# Allegro board RK3588_Template_LP4XD200P232SD8_41R0X41R0_2133MHz_H1R0_V10_20211230.brd
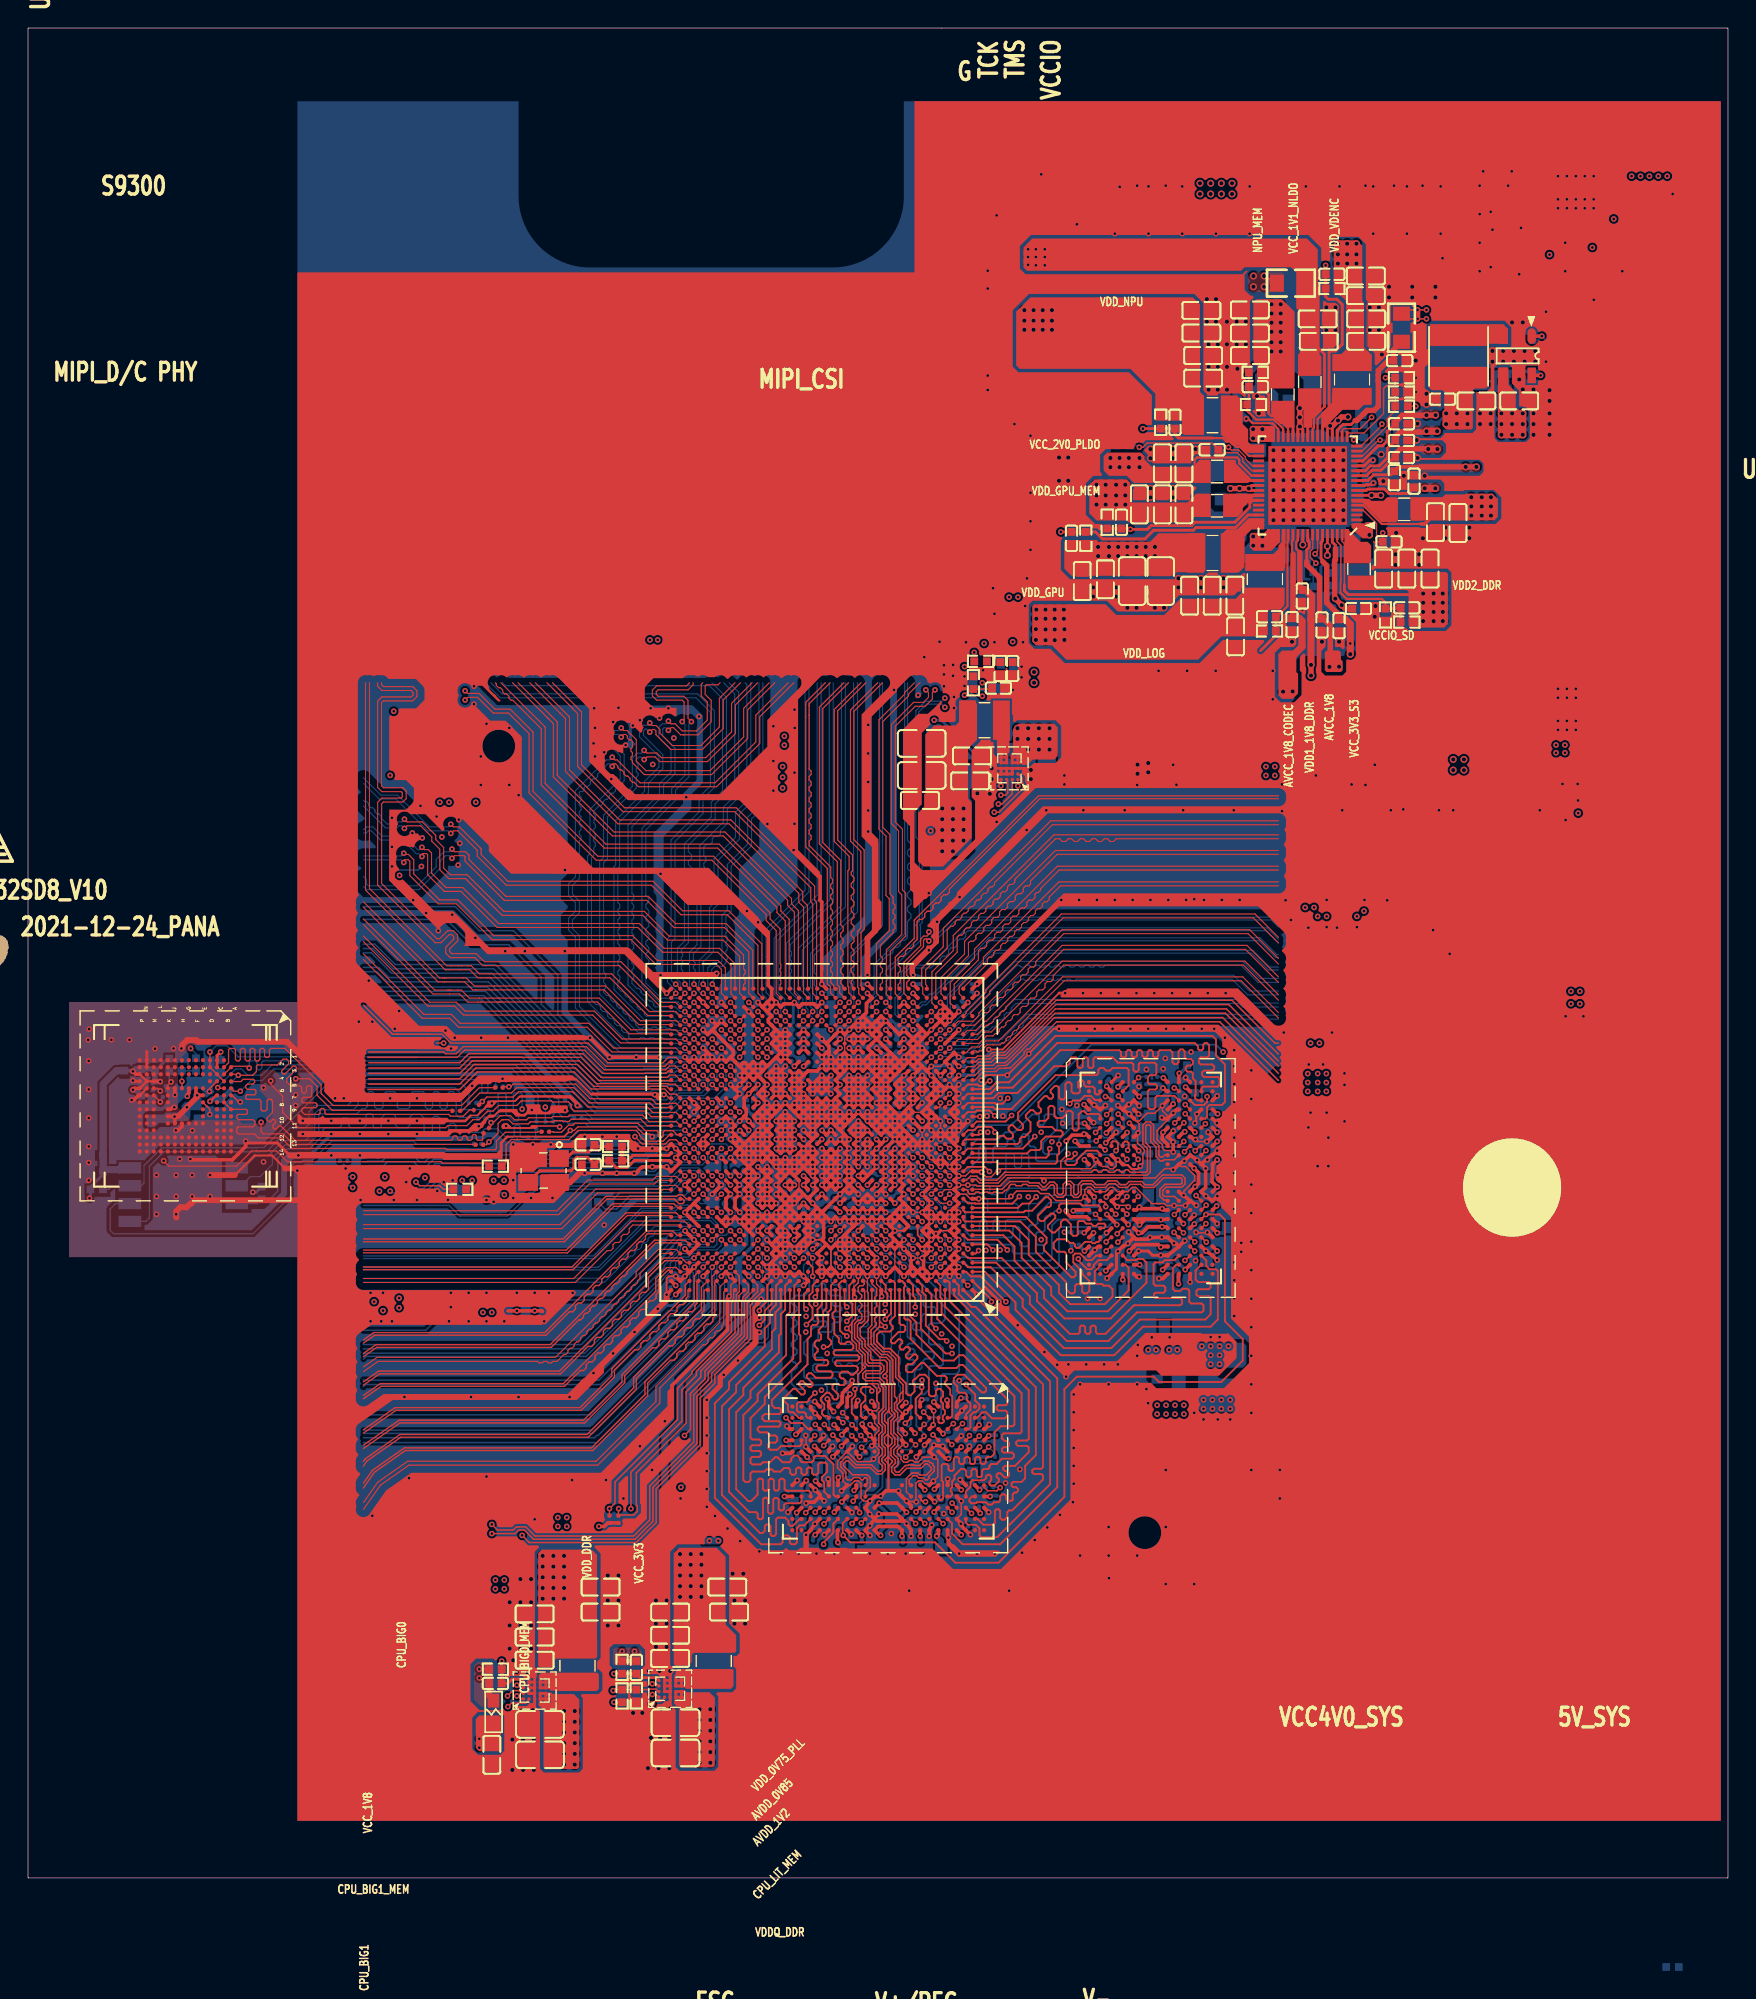
[diagram p0: board, top side]
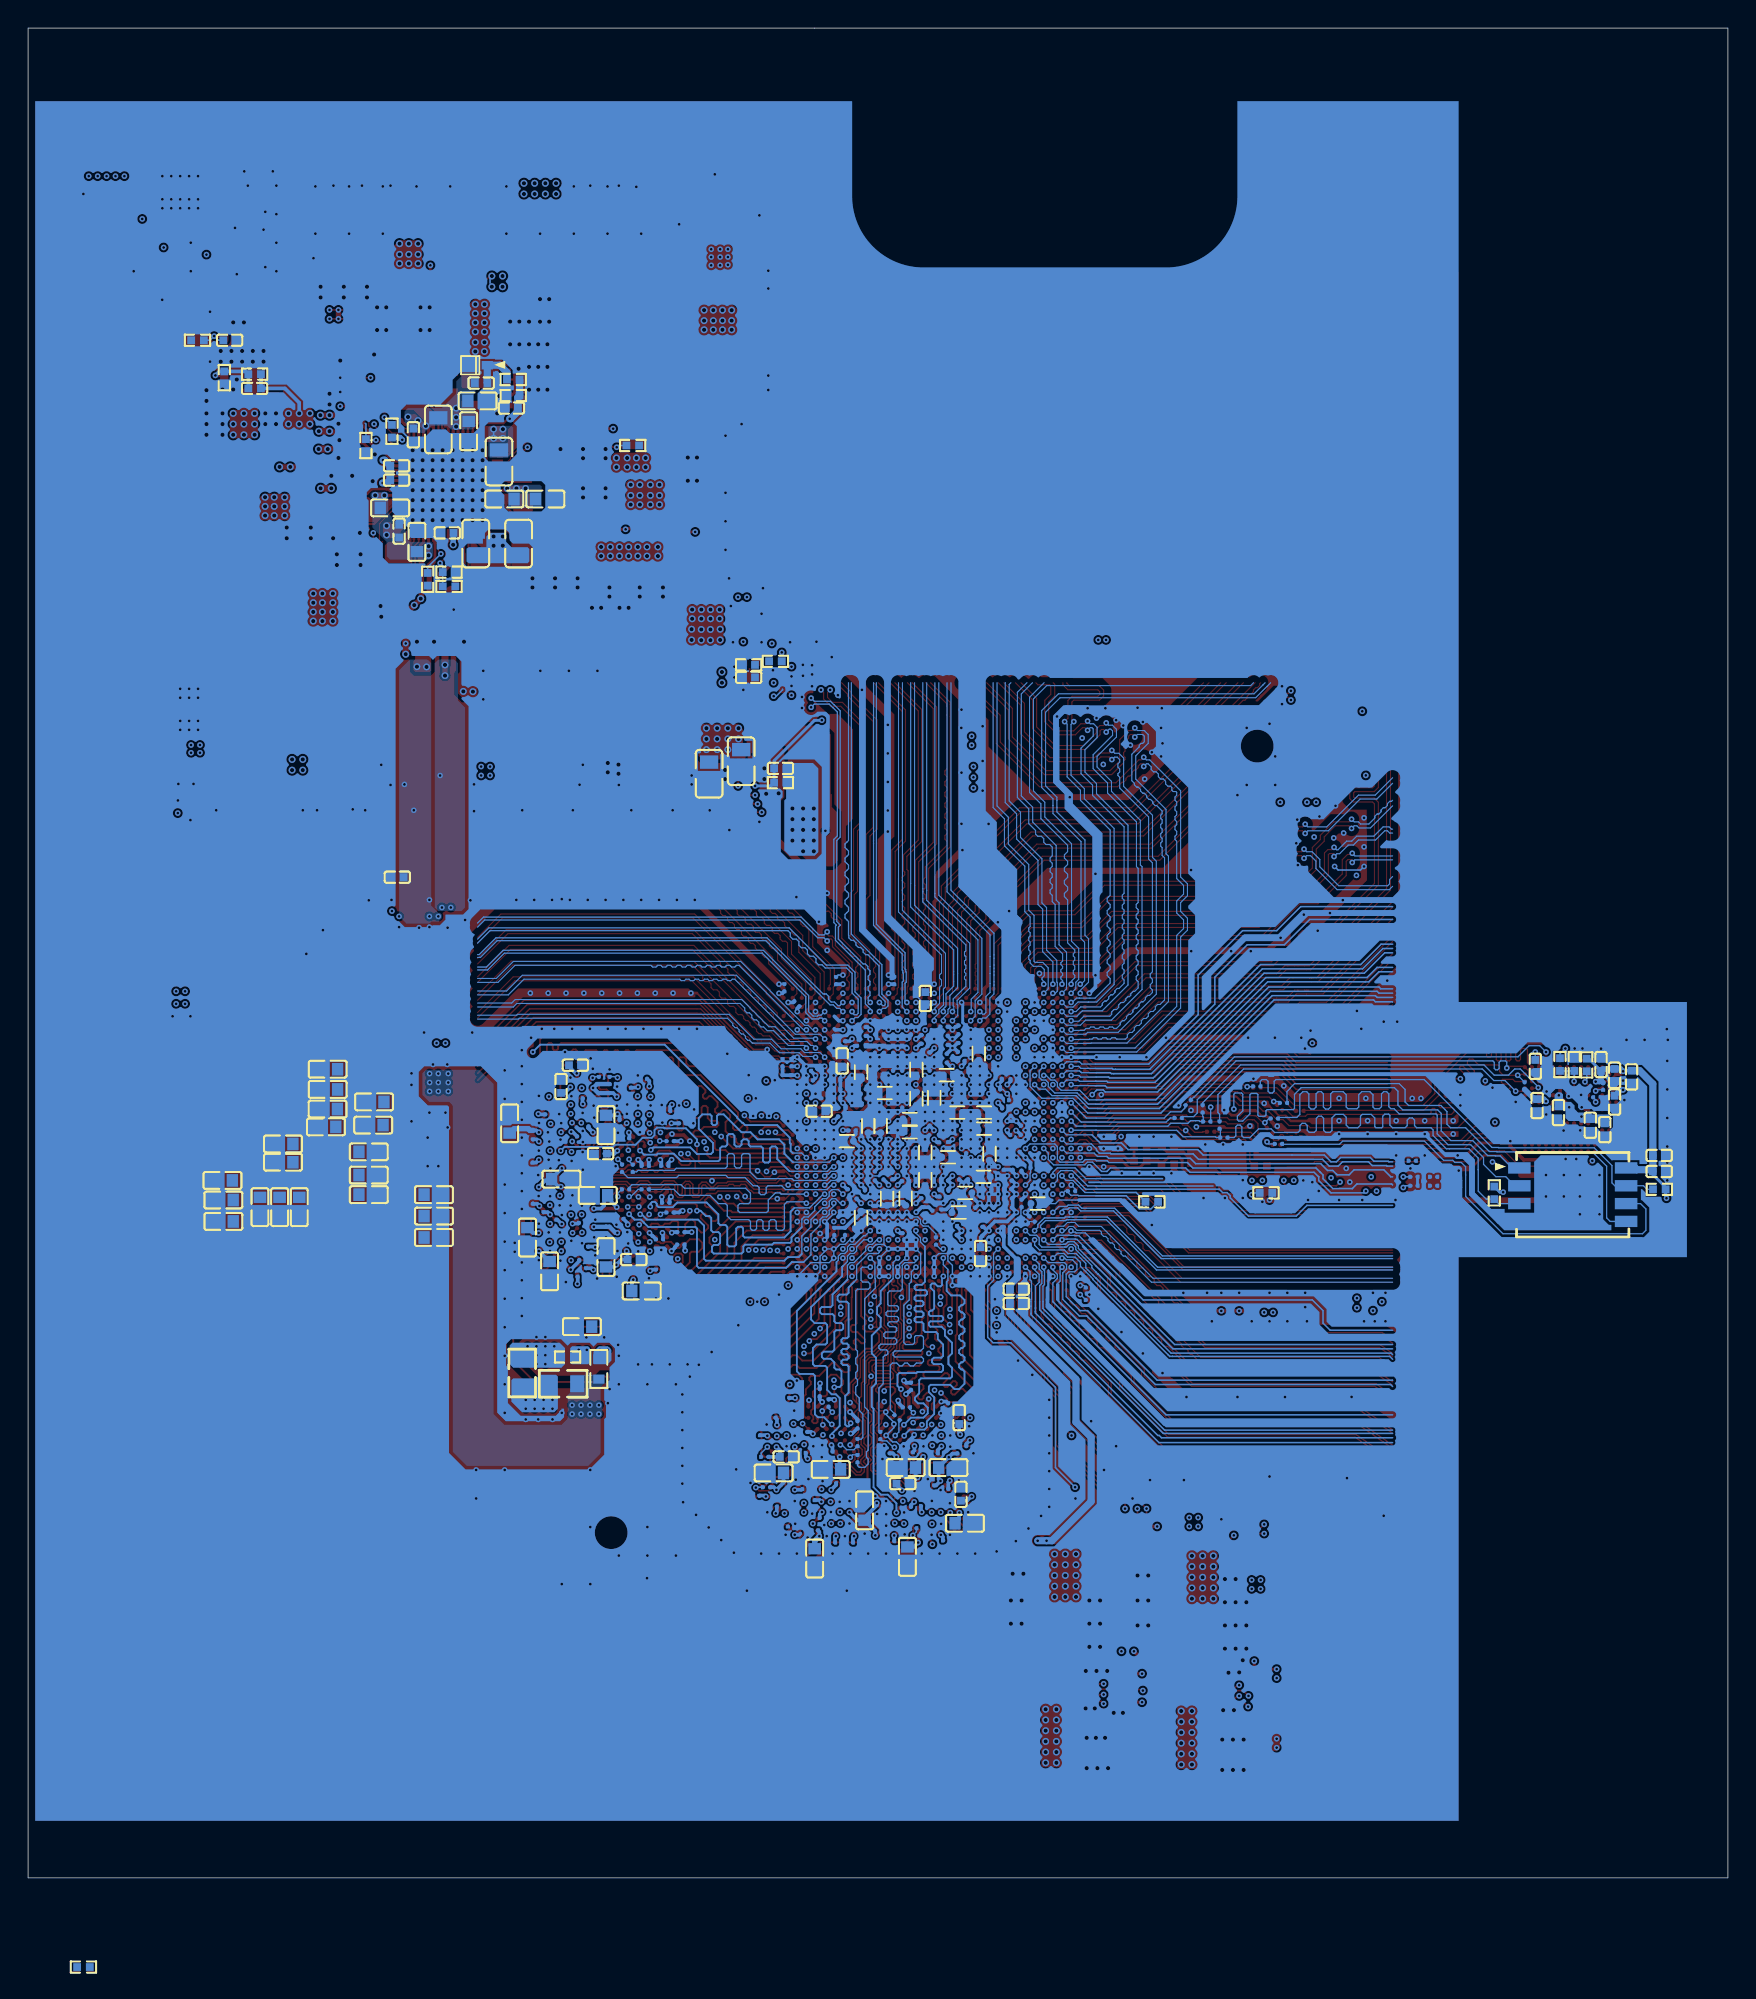
[diagram p1: board, bottom side, seen from below]

Outline 121.03 x 131.7 mm; copper layers: TOP, L2-GND1, L3-POWER1, L4-GND2, L5-POWER2, L6-S2, L7-GND3, BOTTOM. Coordinates in mm from the lower left corner of the outline.
Outline path: 0,131.7 121.03,131.7 121.03,0 0,0 0,131.7

## Design rules (mm)
net group CLK2: nets PCIE30_PORT1_REFCLKN_IN PCIE30_PORT1_REFCLKP_IN
net group DDR_CH0_LP4/4X_CKE0/LP5_CS0_A: nets DDR_CH0_LP4/4X_CKE0/LP5_CS0_A DDR_CH0_LP4/4X_CKE0_A
net group DDR_CH0_LP4/4X_CKE0/LP5_CS0_B: nets DDR_CH0_LP4/4X_CKE0/LP5_CS0_B DDR_CH0_LP4/4X_CKE0_B
net group DDR_CH0_LP4/4X_CKE1/LP5_CS1_A: nets DDR_CH0_LP4/4X_CKE1/LP5_CS1_A DDR_CH0_LP4/4X_CKE1_A
net group DDR_CH0_LP4/4X_CKE1/LP5_CS1_B: nets DDR_CH0_LP4/4X_CKE1/LP5_CS1_B DDR_CH0_LP4/4X_CKE1_B
net group DDR_CH1_LP4/4X_CKE0/LP5_CS0_C: nets DDR_CH1_LP4/4X_CKE0/LP5_CS0_C DDR_CH1_LP4/4X_CKE0_C
net group DDR_CH1_LP4/4X_CKE0/LP5_CS0_D: nets DDR_CH1_LP4/4X_CKE0/LP5_CS0_D DDR_CH1_LP4/4X_CKE0_D
net group DDR_CH1_LP4/4X_CKE1/LP5_CS1_C: nets DDR_CH1_LP4/4X_CKE1/LP5_CS1_C DDR_CH1_LP4/4X_CKE1_C
net group DDR_CH1_LP4/4X_CKE1/LP5_CS1_D: nets DDR_CH1_LP4/4X_CKE1/LP5_CS1_D DDR_CH1_LP4/4X_CKE1_D
net group DP1: nets HDMI1_TX_SBDN/EDP1_TX_AUXN HDMI1_TX_SBDP/EDP1_TX_AUXP
net group DP1_TX2: nets DP1_TX2N DP1_TX2P
net group DP1_TX3: nets DP1_TX3N DP1_TX3P
net group DP2: nets HDMI0_TX_SBDN/EDP0_TX_AUXN HDMI0_TX_SBDP/EDP0_TX_AUXP
net group DP5: nets TYPEC1_SSTX1N TYPEC1_SSTX1P
net group DP6: nets HDMI1_TX0N_PORT/EDP1_TX_D0N HDMI1_TX0P_PORT/EDP1_TX_D0P
net group DP7: nets DP1_AUXN DP1_AUXP
net group DP9: nets HDMI1_TX2N_PORT/EDP1_TX_D2N HDMI1_TX2P_PORT/EDP1_TX_D2P
net group DP14: nets PCIE20_2_TXN PCIE20_2_TXP
net group DP15: nets PCIE20_1_RXN/SATA30_1_RXN PCIE20_1_RXP/SATA30_1_RXP
net group DP16: nets PCIE20_1_TXN/SATA30_1_TXN PCIE20_1_TXP/SATA30_1_TXP
net group DP17: nets SATA30_0_RXN SATA30_0_RXP
net group DP22: nets HDMI_RX_CLKN HDMI_RX_CLKP
net group DP23: nets HDMI_RX_D0N HDMI_RX_D0P
net group DP24: nets PCIE30_PORT0_REFCLKN_IN PCIE30_PORT0_REFCLKP_IN
net group DP26: nets HDMI_RX_D1N HDMI_RX_D1P
net group DP27: nets HDMI_RX_D2N HDMI_RX_D2P
net group DP28: nets TYPEC0_SSTX1N TYPEC0_SSTX1P
net group DP29: nets TYPEC1_OTG_DM TYPEC1_OTG_DP
net group DP30: nets TYPEC0_SBU1 TYPEC0_SBU2
net group DP31: nets TYPEC0_SSRX1N TYPEC0_SSRX1P
net group DP32: nets TYPEC0_SSRX2N TYPEC0_SSRX2P
net group DP33: nets HDMI1_TX3N_PORT/EDP1_TX_D3N HDMI1_TX3P_PORT/EDP1_TX_D3P
net group DP34: nets MIPI_DPHY0_RX_D2N MIPI_DPHY0_RX_D2P
net group DP35: nets MIPI_DPHY0_RX_D3N MIPI_DPHY0_RX_D3P
net group DP36: nets TYPEC1_SSRX1N TYPEC1_SSRX1P
net group DP37: nets MIPI_DPHY0_TX_D3N MIPI_DPHY0_TX_D3P
net group DP38: nets MIPI_DPHY1_RX_D2N MIPI_DPHY1_RX_D2P
net group DP39: nets MIPI_DPHY1_RX_D0N MIPI_DPHY1_RX_D0P
net group DP41: nets MIPI_DPHY1_TX_CLKN MIPI_DPHY1_TX_CLKP
net group DP42: nets MIPI_DPHY1_TX_D0N MIPI_DPHY1_TX_D0P
net group DP43: nets MIPI_DPHY1_TX_D1N MIPI_DPHY1_TX_D1P
net group DP54: nets MIPI_DPHY1_TX_D2N MIPI_DPHY1_TX_D2P
net group DP55: nets MIPI_DPHY1_TX_D3N MIPI_DPHY1_TX_D3P
net group DP56: nets HDMI0_TX0N_PORT/EDP0_TX_D0N HDMI0_TX0P_PORT/EDP0_TX_D0P
net group DP57: nets MIPI_DPHY0_RX_D0N MIPI_DPHY0_RX_D0P
net group DP58: nets HDMI0_TX1N_PORT/EDP0_TX_D1N HDMI0_TX1P_PORT/EDP0_TX_D1P
net group DP59: nets MIPI_DPHY0_RX_D1N MIPI_DPHY0_RX_D1P
net group DP60: nets HDMI0_TX2N_PORT/EDP0_TX_D2N HDMI0_TX2P_PORT/EDP0_TX_D2P
net group DP61: nets MIPI_DPHY1_RX_D3N MIPI_DPHY1_RX_D3P
net group DP62: nets HDMI0_TX3N_PORT/EDP0_TX_D3N HDMI0_TX3P_PORT/EDP0_TX_D3P
net group DP63: nets MIPI_DPHY1_RX_CLKN MIPI_DPHY1_RX_CLKP
net group DP70: nets HDMI1_TX1N_PORT/EDP1_TX_D1N HDMI1_TX1P_PORT/EDP1_TX_D1P
net group DP71: nets MIPI_CSI0_RX_D0N MIPI_CSI0_RX_D0P
net group DP72: nets MIPI_CSI0_RX_D2N MIPI_CSI0_RX_D2P
net group DP73: nets MIPI_CSI1_RX_D0N MIPI_CSI1_RX_D0P
net group DP74: nets MIPI_CSI1_RX_D1N MIPI_CSI1_RX_D1P
net group DP75: nets MIPI_CSI1_RX_D2N MIPI_CSI1_RX_D2P
net group DP76: nets TYPEC0_SSTX2N TYPEC0_SSTX2P
net group DP_DPHY0_TX_CLK: nets MIPI_DPHY0_TX_CLKN MIPI_DPHY0_TX_CLKP
net group DP_DPHY0_TX_D0: nets MIPI_DPHY0_TX_D0N MIPI_DPHY0_TX_D0P
net group DP_DPHY0_TX_D1: nets MIPI_DPHY0_TX_D1N MIPI_DPHY0_TX_D1P
net group DP_DPHY0_TX_D2: nets MIPI_DPHY0_TX_D2N MIPI_DPHY0_TX_D2P
net group DP_MIPI_CSI0_CLK0: nets MIPI_CSI0_RX_CLK0N MIPI_CSI0_RX_CLK0P
net group DP_MIPI_CSI0_CLK1: nets MIPI_CSI0_RX_CLK1N MIPI_CSI0_RX_CLK1P
net group DP_MIPI_CSI0_D1: nets MIPI_CSI0_RX_D1N MIPI_CSI0_RX_D1P
net group DP_MIPI_CSI0_D3: nets MIPI_CSI0_RX_D3N MIPI_CSI0_RX_D3P
net group DP_MIPI_CSI1_CLK0: nets MIPI_CSI1_RX_CLK0N MIPI_CSI1_RX_CLK0P
net group DP_MIPI_CSI1_CLK1: nets MIPI_CSI1_RX_CLK1N MIPI_CSI1_RX_CLK1P
net group DP_MIPI_CSI1_D3: nets MIPI_CSI1_RX_D3N MIPI_CSI1_RX_D3P
net group DP_N17854686: nets PCIE30_PORT1_TX3N PCIE30_PORT1_TX3P
net group DP_PCIE30_TX0: nets PCIE30_PORT0_TX0N PCIE30_PORT0_TX0P
net group DP_PCIE30_TX1: nets PCIE30_PORT0_TX1N PCIE30_PORT0_TX1P
net group DPHY0_RX_CLK: nets MIPI_DPHY0_RX_CLKN MIPI_DPHY0_RX_CLKP
net group DPHY1_RX_D1: nets MIPI_DPHY1_RX_D1N MIPI_DPHY1_RX_D1P
net group EMMC_CLKOUT: nets EMMC_CLKOUT N23230466
net group EMMC_D4: nets EMMC_D4 N26065462
net group EMMC_D5: nets EMMC_D5 N26065494
net group EMMC_D7: nets EMMC_D7 N26065519
net group EMMC_RSTN: nets EMMC_RSTN N26065546
net group PCIE20_0_REFCLK: nets PCIE20_2_REFCLKN PCIE20_2_REFCLKP
net group PCIE20_0_TX: nets PCIE20_0_TXN PCIE20_0_TXP
net group PCIE20_1_REFCLK: nets PCIE20_1_REFCLKN PCIE20_1_REFCLKP
net group PCIE30_PORT0_RX0: nets PCIE30_PORT0_RX0N PCIE30_PORT0_RX0P
net group PCIE30_PORT0_RX1: nets PCIE30_PORT0_RX1N PCIE30_PORT0_RX1P
net group PCIE30_PORT1_RX2: nets PCIE30_PORT1_RX2N PCIE30_PORT1_RX2P
net group PCIE30_PORT1_RX3: nets PCIE30_PORT1_RX3N PCIE30_PORT1_RX3P
net group PCIE30_PORT1_TX2: nets PCIE30_PORT1_TX2N PCIE30_PORT1_TX2P
net group PCIE_2_RX: nets PCIE20_2_RXN/SATA30_2_RXN PCIE20_2_RXP/SATA30_2_RXP
net group SATA30_0_TX: nets SATA30_0_TXN SATA30_0_TXP
net group TYPEC0_OTG_D: nets TYPEC0_OTG_DM TYPEC0_OTG_DP
net group USB20_HOST0_D: nets USB20_HOST0_DM USB20_HOST0_DP
net group USB20_HOST1_D: nets USB20_HOST1_DM USB20_HOST1_DP
net group C_GMAC0_RX: nets GMAC0_RXCLK GMAC0_RXD0 GMAC0_RXD1 GMAC0_RXD2 GMAC0_RXD3 GMAC0_RXDV_CRS
net group C_GMAC0_TX: nets MAC0_TXCLK MAC0_TXD0 MAC0_TXD1 MAC0_TXD2 MAC0_TXD3 MAC0_TXEN
net group DDR: nets DDR_RESET
net group EMMC: nets EMMC_DATA_STROBE
net group EMMC_CMD: nets EMMC_CMD EMMC_CMD/FSPI_CLK FSPI_CLK
net group EMMC_D0: nets EMMC_D0 EMMC_D0/FSPI_D0 FSPI_D0
net group EMMC_D1: nets EMMC_D1 EMMC_D1/FSPI_D1 FSPI_D1
net group EMMC_D2: nets EMMC_D2 EMMC_D2/FSPI_D2 FSPI_D2
net group EMMC_D3: nets EMMC_D3 EMMC_D3/FSPI_D3 FSPI_D3
net group EMMC_D6: nets EMMC_D6 EMMC_D6/FSPI_CS0 FSPI_CS0
net group GMAC0_MD: nets GMAC0_MDC GMAC0_MDIO GMAC0_RSTN_L
net group I2C: nets I2C2_SCL_M0 I2C2_SDA_M0 I2C3_SCL_M0_MIPI I2C3_SDA_M0_MIPI I2C4_SCL_M3_MIPI I2C4_SDA_M3_MIPI I2C5_SCL_M0_MIPI I2C5_SDA_M0_MIPI I2C7_SCL_M0_CODEC I2C7_SDA_M0_CODEC I2S0_LRCK_TX I2S0_MCLK I2S0_SCLK_TX I2S0_SDI0 I2S0_SDO0 I2S2_LRCK_TX_M1_BT I2S2_SCLK_TX_M1_BT I2S2_SDI_M1_BT I2S2_SDO_M1_BT

## Placement (name value [footprint] x y rotation side)
C1000  22uF  [C0603]  107.13 48.26 0 bottom
C1001  100nF  [C0201]  59.44 57.2 90 bottom
C1002  100nF  [C0201]  58.79 57.2 90 bottom
C1003  22uF  [C0603]  107.19 49.66 0 bottom
C1004  10uF  [C0402_BGA]  57.79 57.54 90 bottom
C1005  10uF  [C0402_BGA]  57.79 55.47 270 bottom
C1006  1uF  [C0201]  58.79 55.1 270 bottom
C1007  4.7uF  [C0402_BGA]  60.03 55.88 0 bottom
C1010  100nF  [C0201]  55.5 48.69 270 bottom
C1013  1uF  [C0201]  55.94 50.3 180 bottom
C1014  1uF  [C0201]  58.39 50.3 0 bottom
C1015  4.7uF  [C0402_BGA]  55.54 51.31 180 bottom
C1016  10uF  [C0402_BGA]  57.15 51.65 90 bottom
C1017  10uF  [C0402_BGA]  57.15 49.7 270 bottom
C1018  22uF  [C0603]  92.14 48.64 180 bottom
C1019  22uF  [C0603]  92.14 47.12 180 bottom
C1020  1uF  [C0201]  60.45 57.02 0 bottom
C1022  100nF  [C0201]  58.39 50.95 0 bottom
C1023  1uF  [C0201]  55.79 49.65 0 bottom
C1024  100nF  [C0201]  53.59 47.45 270 bottom
C1025  100nF  [C0201]  52.94 47.45 270 bottom
C1027  1uF  [C0201]  52.29 47.45 270 bottom
C1028  1uF  [C0201]  52.69 49 0 bottom
C1029  4.7uF  [C0402_BGA]  52.58 51.56 90 bottom
C1030  10uF  [C0402_BGA]  54.31 48.77 0 bottom
C1031  10uF  [C0402_BGA]  53 49.91 0 bottom
C1032  22uF  [C0603]  96.77 50.04 180 bottom
C1033  22uF  [C0603]  96.77 51.69 180 bottom
C1034  22uF  [C0603]  102.88 50.95 0 bottom
C1035  22uF  [C0603]  102.88 52.25 0 bottom
C1036  10uF  [C0402_BGA]  55.63 57.15 180 bottom
C1037  10uF  [C0402_BGA]  54.78 47.37 180 bottom
C1038  4.7uF  [C0402_BGA]  56.52 55.54 270 bottom
C1039  1uF  [C0201]  56.84 57.2 90 bottom
C1040  100nF  [C0201]  56.01 47.33 270 bottom
C1041  100nF  [C0201]  56.84 53.81 90 bottom
C1042  1uF  [C0201]  55.28 56.15 180 bottom
C1043  10uF  [C0402_BGA]  58.25 54.03 180 bottom
C1045  22uF  [C0603]  96.46 53.59 0 bottom
C1046  22uF  [C0603]  96.39 55.25 0 bottom
C1047  10uF  [C0402_BGA]  58.25 53.09 180 bottom
C1048  1uF  [C0201]  58.54 52.25 180 bottom
C1049  100nF  [C0201]  59.69 52.25 0 bottom
C1050  100nF  [C0201]  59.7 50.95 0 bottom
C1051  1uF  [C0201]  54.74 49.99 90 bottom
C1052  1uF  [C0201]  59.7 51.6 0 bottom
C1054  100nF  [C0201]  54.64 53.55 0 bottom
C1057  4.7uF  [C0402_BGA]  52.96 54.48 180 bottom
C1058  10uF  [C0402_BGA]  54.86 54.48 0 bottom
C1059  10uF  [C0402_BGA]  52.96 53.34 180 bottom
C1060  22uF  [C0603]  104.52 47.75 270 bottom
C1061  22uF  [C0603]  103.12 47.75 270 bottom
C1062  22uF  [C0603]  99.7 57.57 0 bottom
C1063  22uF  [C0603]  99.82 53.47 0 bottom
C1064  22uF  [C0603]  99.71 54.74 0 bottom
C1065  10uF  [C0402_BGA]  53.34 58.67 90 bottom
C1066  1uF  [C0201]  52.58 57.53 180 bottom
C1069  100nF  [C0201]  53.99 56.8 0 bottom
C1070  100nF  [C0201]  54.24 51.85 270 bottom
C1071  1uF  [C0201]  53.59 51.35 270 bottom
C1072  1uF  [C0201]  53.99 56.15 0 bottom
C1073  100nF  [C0201]  52.69 56.15 180 bottom
C1080  22uF  [C0603]  92.14 45.59 180 bottom
C1081  22uF  [C0603]  96.77 48.64 180 bottom
C1082  22uF  [C0603]  101.73 47.75 270 bottom
C1083  100nF  [C0201]  54.1 49.99 90 bottom
C1085  22uF  [C0603]  107.12 46.74 0 bottom
C1086  22uF  [C0603]  99.69 56.13 0 bottom
C1100  100nF  [C0201]  46.74 48.9 180 bottom
C1101  18pF  [C0402]  39.88 52.2 180 top
C1102  18pF  [C0402]  39.88 50.8 180 top
C1103  1uF  [C0201]  56.64 47.24 270 bottom
C1104  100nF  [C0201]  51.26 49.64 0 bottom
C1105  1uF  [C0201]  67.31 56.9 270 bottom
C1106  100nF  [C0201]  55.53 52.65 90 bottom
C1107  100nF  [C0201]  49.4 50.55 180 bottom
C1109  100nF  [C0201]  56.16 52.62 90 bottom
C1110  100nF  [C0201]  50.93 50.67 90 bottom
C1111  1uF  [C0201]  51.56 50.67 90 bottom
C1112  100nF  [C0201]  50.69 51.69 0 bottom
C1113  100nF  [C0201]  50.3 50.61 90 bottom
C1200  10uF  [C0402_BGA]  62.74 52.45 0 bottom
C1201  1uF  [C0201]  60.74 46.79 270 bottom
C1202  1uF  [C0201]  62.29 50.95 0 bottom
C1203  100nF  [C0201]  58.15 46.8 270 bottom
C1204  100nF  [C0201]  58.79 46.79 270 bottom
C1205  100nF  [C0201]  59.44 46.79 270 bottom
C1206  1uF  [C0201]  62.3 48.35 0 bottom
C1207  10uF  [C0402_BGA]  61.72 46.99 270 bottom
C1208  1uF  [C0201]  60.09 46.79 270 bottom
C1209  1uF  [C0201]  62.29 51.6 0 bottom
C1210  100nF  [C0201]  62.29 49.66 0 bottom
C1211  100nF  [C0201]  62.29 50.3 0 bottom
C1212  100nF  [C0201]  61.45 48.69 270 bottom
C1213  1uF  [C0201]  58.54 49.6 180 bottom
C1214  1uF  [C0201]  61 49.65 0 bottom
C1215  1uF  [C0201]  60.12 49.98 90 bottom
C1216  1uF  [C0201]  62.41 49.03 180 bottom
C1217  1uF  [C0201]  57.28 47.5 270 bottom
C1218  1uF  [C0201]  57.17 48.4 180 bottom
C1219  1uF  [C0201]  58.51 45.9 180 bottom
C1220  10uF  [C0402_BGA]  61.21 53.53 90 bottom
C1221  4.7uF  [C0402_BGA]  60.33 53.53 90 bottom
C1223  100nF  [C0201]  61 51.6 0 bottom
C1224  1uF  [C0201]  56.13 48.76 90 bottom
C1225  100nF  [C0201]  61 50.3 0 bottom
C1226  10uF  [C0402_BGA]  59.87 48.35 90 bottom
C1227  4.7uF  [C0402_BGA]  58.55 48.36 90 bottom
C1228  1uF  [C0201]  59.5 49.99 90 bottom
C1229  100nF  [C0201]  60.74 48.1 90 bottom
C1231  100nF  [C0201]  61 50.95 0 bottom
C1232  10uF  [C0603]  81.6 39.24 0 bottom
C1300  1uF  [C0201]  50.09 52.9 180 bottom
C1301  100nF  [C0201]  63.07 54.83 180 bottom
C1302  100nF  [C0201]  63.09 54.2 180 bottom
C1400  1uF  [C0201]  60.09 60.29 90 bottom
C1401  100nF  [C0201]  58.79 60.3 90 bottom
C1402  1uF  [C0201]  61.39 59 270 bottom
C1403  100nF  [C0201]  60.09 58.99 270 bottom
C1404  1uF  [C0201]  59.44 60.28 90 bottom
C1405  100nF  [C0201]  58.19 60.3 90 bottom
C1406  1uF  [C0201]  59.44 58.99 270 bottom
C1407  100nF  [C0201]  58.8 58.99 270 bottom
C1408  100nF  [C0201]  61.65 59.94 0 bottom
C1409  100nF  [C0201]  60.74 59 270 bottom
C1410  100nF  [C0201]  61.65 60.58 0 bottom
C1501  100nF  [C0201]  57.12 58.77 0 bottom
C1502  100nF  [C0201]  55.17 45.77 0 bottom
C1503  100nF  [C0201]  50.08 53.55 180 bottom
C1505  100nF  [C0201]  66.67 56.9 270 bottom
C1510  1nF  [C0402]  70.1 86.11 270 top
C1511  1nF  [C0402]  69.09 84.71 0 top
C1512  1nF  [C0402]  57.15 62.61 270 bottom
C1513  1nF  [C0402]  69.72 85.47 0 bottom
C1600  2.2nF  [C0201]  54.61 58.17 0 bottom
C1601  1uF  [C0201]  54.57 58.81 180 bottom
C1602  100nF  [C0201]  55.81 59.3 0 bottom
C1603  1uF  [C0201]  54.53 60.06 180 bottom
C1605  100nF  [C0201]  54.53 60.69 180 bottom
C1608  2.2nF  [C0201]  55.88 58.04 0 bottom
C1609  1uF  [C0201]  55.88 58.67 0 bottom
C1611  100nF  [C0201]  55.81 59.95 0 bottom
C1613  1uF  [C0201]  55.81 60.6 0 bottom
C1615  1uF  [C0201]  51.68 54.52 270 bottom
C1616  100nF  [C0201]  54.53 59.44 180 bottom
C1617  1uF  [C0201]  50.93 55.37 180 bottom
C1619  1uF  [C0201]  67.31 58.04 90 bottom
C1621  100nF  [C0201]  51.05 54.51 90 bottom
C1714  1uF  [C0201]  62.94 55.5 0 bottom
C1715  4.7uF  [C0402_BGA]  61.72 57.37 90 bottom
C1716  1uF  [C0201]  64.24 56.15 0 bottom
C1717  100nF  [C0201]  64.29 55.5 0 bottom
C1729  1uF  [C0201]  62.94 56.15 0 bottom
C1731  1uF  [C0201]  64.24 57.45 0 bottom
C1732  100nF  [C0201]  64.24 56.8 0 bottom
C1733  4.7uF  [C0402]  64.71 54.58 0 bottom
C1735  1uF  [C0201]  61.64 56.15 180 bottom
C1738  1uF  [C0201]  62.94 56.8 0 bottom
C1740  100nF  [C0201]  65.15 56.52 270 bottom
C1741  1uF  [C0201]  65.54 57.45 0 bottom
C1742  4.7uF  [C0402]  63.07 58.17 90 bottom
C1752  100nF  [C0201]  61.59 55.5 180 bottom
C1800  1uF  [C0201]  53.34 45.72 0 bottom
C1801  4.7uF  [C0402]  94.74 71.25 0 bottom
C1802  1uF  [C0201]  51.32 45.72 180 bottom
C1803  4.7uF  [C0402]  50.67 41.91 180 bottom
C1804  1uF  [C0201]  51.23 47.73 0 bottom
C1806  1uF  [C0201]  49.54 46.9 225 bottom
C1808  1uF  [C0201]  51.23 48.36 0 bottom
C1810  10uF  [C0402_BGA]  49.15 48.01 180 bottom
C1812  100nF  [C0201]  53.34 46.36 0 bottom
C1813  4.7uF  [C0402]  53.21 44.45 270 bottom
C1814  1uF  [C0201]  51.32 46.35 180 bottom
C1815  4.7uF  [C0402]  50.67 40.89 180 bottom
C1816  100nF  [C0201]  51.29 49.04 0 bottom
C1818  100nF  [C0201]  50.29 48.03 270 bottom
C1902  100nF  [C0201]  51.1 52.63 270 bottom
C1903  100nF  [C0201]  51.7 57.15 90 bottom
C1907  100nF  [C0201]  55.15 46.41 0 bottom
C1908  100nF  [C0201]  51.08 57.12 90 bottom
C1909  100nF  [C0201]  51.82 55.88 270 bottom
C2200  10uF  [C0603]  93.34 95.12 90 bottom
C2201  22uF  [C0805]  86.11 95 90 bottom
C2202  22uF  [C0603]  82.3 97.79 90 top
C2203  22uF  [C0603]  80.77 97.79 90 top
C2204  10uF  [C0603]  79.12 97.79 90 top
C2205  1uF  [C0402]  77.85 96.52 270 top
C2206  1uF  [C0402]  74.29 95.38 90 top
C2207  47uF  [C0805]  78.61 92.33 270 top
C2208  47uF  [C0805]  80.64 92.33 270 top
C2209  22uF  [C0603]  76.71 92.46 270 top
C2210  10uF  [C0603]  87.12 98.17 0 bottom
C2211  22uF  [C0603]  75.06 92.33 270 top
C2212  22uF  [C0805]  87.5 100.84 270 bottom
C2213  22uF  [C0603]  87 111.63 180 top
C2214  22uF  [C0603]  87 109.99 180 top
C2215  10uF  [C0603]  87 108.38 180 top
C2216  100pF  [C0402]  87.38 106.17 180 top
C2217  1uF  [C0402]  81.66 103.63 270 top
C2218  22uF  [C0603]  83.67 106.78 0 top
C2219  22uF  [C0603]  83.67 108.38 0 top
C2220  22uF  [C0603]  83.54 111.6 0 top
C2221  22uF  [C0603]  83.54 109.99 0 top
C2222  10uF  [C0603]  89.66 103 270 bottom
C2223  22uF  [C0805]  89.15 95 90 bottom
C2224  22uF  [C0603]  98.17 93.22 90 top
C2225  22uF  [C0603]  96.52 93.22 90 top
C2226  10uF  [C0603]  99.82 93.22 90 top
C2228  1uF  [C0402]  88.39 89.79 0 top
C2229  22uF  [C0603]  84.31 91.29 90 top
C2230  22uF  [C0603]  85.92 91.29 90 top
C2231  22uF  [C0603]  85.98 88.39 270 top
C2232  22uF  [C0603]  82.71 91.29 90 top
C2233  100pF  [C0402]  98.17 90.42 180 top
C2234  10uF  [C0603]  89.03 105.16 180 bottom
C2235  22uF  [C0805]  91.82 103.12 270 bottom
C2236  22uF  [C0603]  101.81 96.46 270 top
C2237  22uF  [C0603]  100.2 96.52 270 top
C2239  1uF  [C0402]  92.84 114.17 180 top
C2240  22uF  [C0603]  95.28 111 0 top
C2241  22uF  [C0603]  95.25 114.05 0 top
C2242  22uF  [C0603]  95.25 112.65 0 top
C2243  22uF  [C0603]  95.28 109.4 0 top
C2244  10uF  [C0603]  95.25 97.54 180 bottom
C2245  10uF  [C0603]  84.2 98.17 180 bottom
C2246  22uF  [C0603]  91.9 109.4 0 top
C2247  22uF  [C0603]  91.82 111 0 top
C2249  22uF  [C0603]  80.77 100.71 90 top
C2250  22uF  [C0603]  82.3 100.71 90 top
C2252  1uF  [C0402]  91.19 95.76 0 bottom
C2253  1uF  [C0402]  92.13 89.2 270 top
C2254  1uF  [C0402]  90.73 91.26 270 top
C2255  1uF  [C0402]  89.99 89.23 270 top
C2256  1uF  [C0402]  97.66 108.03 0 top
C2257  1uF  [C0402]  93.34 89.15 270 top
C2258  1uF  [C0402]  94.62 95.89 90 bottom
C2259  1uF  [C0402]  94.73 90.37 0 top
C2260  1uF  [C0402]  93.6 102.74 270 bottom
C2261  4.7uF  [C0402]  88.77 106.43 180 bottom
C2262  2.2uF  [C0402]  97.79 103.53 0 top
C2263  1uF  [C0402]  94.79 100.53 180 bottom
C2264  2.2uF  [C0402]  97.79 102.34 0 top
C2265  1nF  [C0402]  86.61 104.65 0 bottom
C2266  10nF  [C0402]  84.3 101.68 180 top
C2267  2.2uF  [C0402]  97.79 101.12 0 top
C2268  1nF  [C0402]  96.9 95.12 0 top
C2269  2.2uF  [C0402]  97.28 99.69 270 top
C2270  1uF  [C0402]  94.79 99.52 180 bottom
C2271  2.2uF  [C0402]  98.68 99.44 90 top
C2300  22uF  [C0805]  46.1 8.89 180 top
C2301  22uF  [C0805]  46.1 11.05 180 top
C2302  22uF  [C0805]  36.45 10.92 180 top
C2303  22uF  [C0805]  36.45 8.76 180 top
C2304  1uF  [C0402]  43.31 14.99 270 top
C2305  22uF  [C0603]  45.72 15.62 180 top
C2306  22uF  [C0603]  45.72 18.92 180 top
C2307  22uF  [C0603]  45.72 17.27 180 top
C2308  22uF  [C0603]  49.91 18.92 0 top
C2309  22uF  [C0603]  49.78 20.7 0 top
C2310  1uF  [C0402]  33.27 13.84 0 top
C2311  22uF  [C0603]  36.07 18.8 180 top
C2312  22uF  [C0603]  40.77 18.92 0 top
C2313  22uF  [C0603]  36.07 15.49 180 top
C2314  22uF  [C0603]  36.07 17.15 180 top
C2315  22uF  [C0603]  40.77 20.7 0 top
C2316  22uF  [C0603]  33.02 8.76 270 top
C2317  22uF  [C0805]  72.54 78.61 270 bottom
C2318  22uF  [C0805]  70.26 79.5 270 bottom
C2319  10uF  [C0603]  106.17 105.16 0 top
C2320  100pF  [C0402]  104.9 106.04 0 bottom
C2321  22uF  [C0603]  103.12 105.16 0 top
C2322  100nF  [C0402]  100.71 105.28 180 top
C2323  1uF  [C0402]  67.46 78.99 0 bottom
C2324  47uF  [C0805]  63.63 78.49 180 top
C2325  47uF  [C0805]  63.63 80.77 180 top
C2326  22uF  [C0603]  67.21 79.88 0 top
C2327  22uF  [C0603]  63.5 76.71 180 top
C2328  22uF  [C0603]  67.08 78.11 0 top
C2329  100nF  [C0402]  106.68 109.47 180 bottom
C3800  10uF  [C0603]  85.47 45.59 270 bottom
C3801  10uF  [C0603]  86.74 53.72 90 bottom
C3802  100nF  [C0201]  78.49 52.65 0 bottom
C3803  100nF  [C0201]  85.09 53.47 90 bottom
C3804  100nF  [C0201]  74.55 45.97 180 bottom
C3805  100nF  [C0201]  81.56 46.63 180 bottom
C3806  100nF  [C0201]  74.42 53.72 180 bottom
C3807  100nF  [C0201]  78.89 46.91 0 bottom
C3808  100nF  [C0201]  81.69 52.79 180 bottom
C3809  22uF  [C0603]  80.47 48.59 0 bottom
C3810  10uF  [C0603]  77.34 41.78 180 bottom
C3811  10uF  [C0603]  83.06 49.75 180 bottom
C3812  1uF  [C0402]  80.26 51.56 0 bottom
C3813  1uF  [C0402]  82.07 57.86 180 bottom
C3814  100nF  [C0201]  75.69 50.7 0 bottom
C3815  100nF  [C0201]  85.09 52.32 270 bottom
C3816  100nF  [C0201]  81.13 53.75 90 bottom
C3817  100nF  [C0201]  77.09 50.7 0 bottom
C3818  100nF  [C0201]  78.11 56.52 90 bottom
C3819  100nF  [C0201]  85.12 51.18 90 bottom
C3820  100nF  [C0201]  75.63 48.07 180 bottom
C3821  100nF  [C0201]  79.88 46.61 90 bottom
C3822  100nF  [C0201]  82.17 42.8 0 bottom
C3823  100nF  [C0201]  85.09 48.26 90 bottom
C3824  22uF  [C0603]  79.88 53.59 270 bottom
C3825  10uF  [C0603]  79.88 44.2 90 bottom
C3826  10uF  [C0603]  83.9 43.18 270 bottom
C3827  1uF  [C0402]  83.08 56.34 90 bottom
C3828  1uF  [C0402]  77.9 44.02 180 bottom
C3829  100nF  [C0201]  78.92 53.7 270 bottom
C3830  100nF  [C0201]  80.39 55.63 270 bottom
C3831  100nF  [C0201]  76.33 43.05 270 bottom
C3832  100nF  [C0201]  81.79 44.25 90 bottom
C3833  100nF  [C0201]  76.07 45.47 180 bottom
C3834  100nF  [C0201]  75.56 54.61 0 bottom
C3835  100nF  [C0201]  76.96 57.15 90 bottom
C3836  100nF  [C0201]  81.16 44.67 270 bottom
C3837  100nF  [C0201]  83.95 54.36 180 bottom
C3838  100nF  [C0201]  83.42 47.12 90 bottom
C3839  100nF  [C0201]  74.55 45.09 180 bottom
C3840  100nF  [C0201]  81.3 43.15 270 bottom
C3841  100nF  [C0201]  81.28 55.5 180 bottom
C3842  100nF  [C0201]  79.63 55.63 270 bottom
C3844  1nF  [C0201]  84.33 47.14 270 bottom
C3845  10uF  [C0603]  58.42 22.86 270 bottom
C3846  10uF  [C0603]  65.02 22.73 270 bottom
C3847  100nF  [C0201]  64.01 30.35 0 bottom
C3848  100nF  [C0201]  64.67 34.54 90 bottom
C3849  100nF  [C0201]  58.17 26.16 270 bottom
C3850  100nF  [C0201]  58.29 30.3 0 bottom
C3851  100nF  [C0201]  65.02 27.15 90 bottom
C3852  100nF  [C0201]  58.17 35 270 bottom
C3853  100nF  [C0201]  65.05 24.74 0 bottom
C3854  22uF  [C0603]  63.88 29.08 0 bottom
C3855  10uF  [C0603]  61.47 26.16 90 bottom